# Altium PCB HIVE_BOARD.PcbDoc (part 5 of 9) (continued)
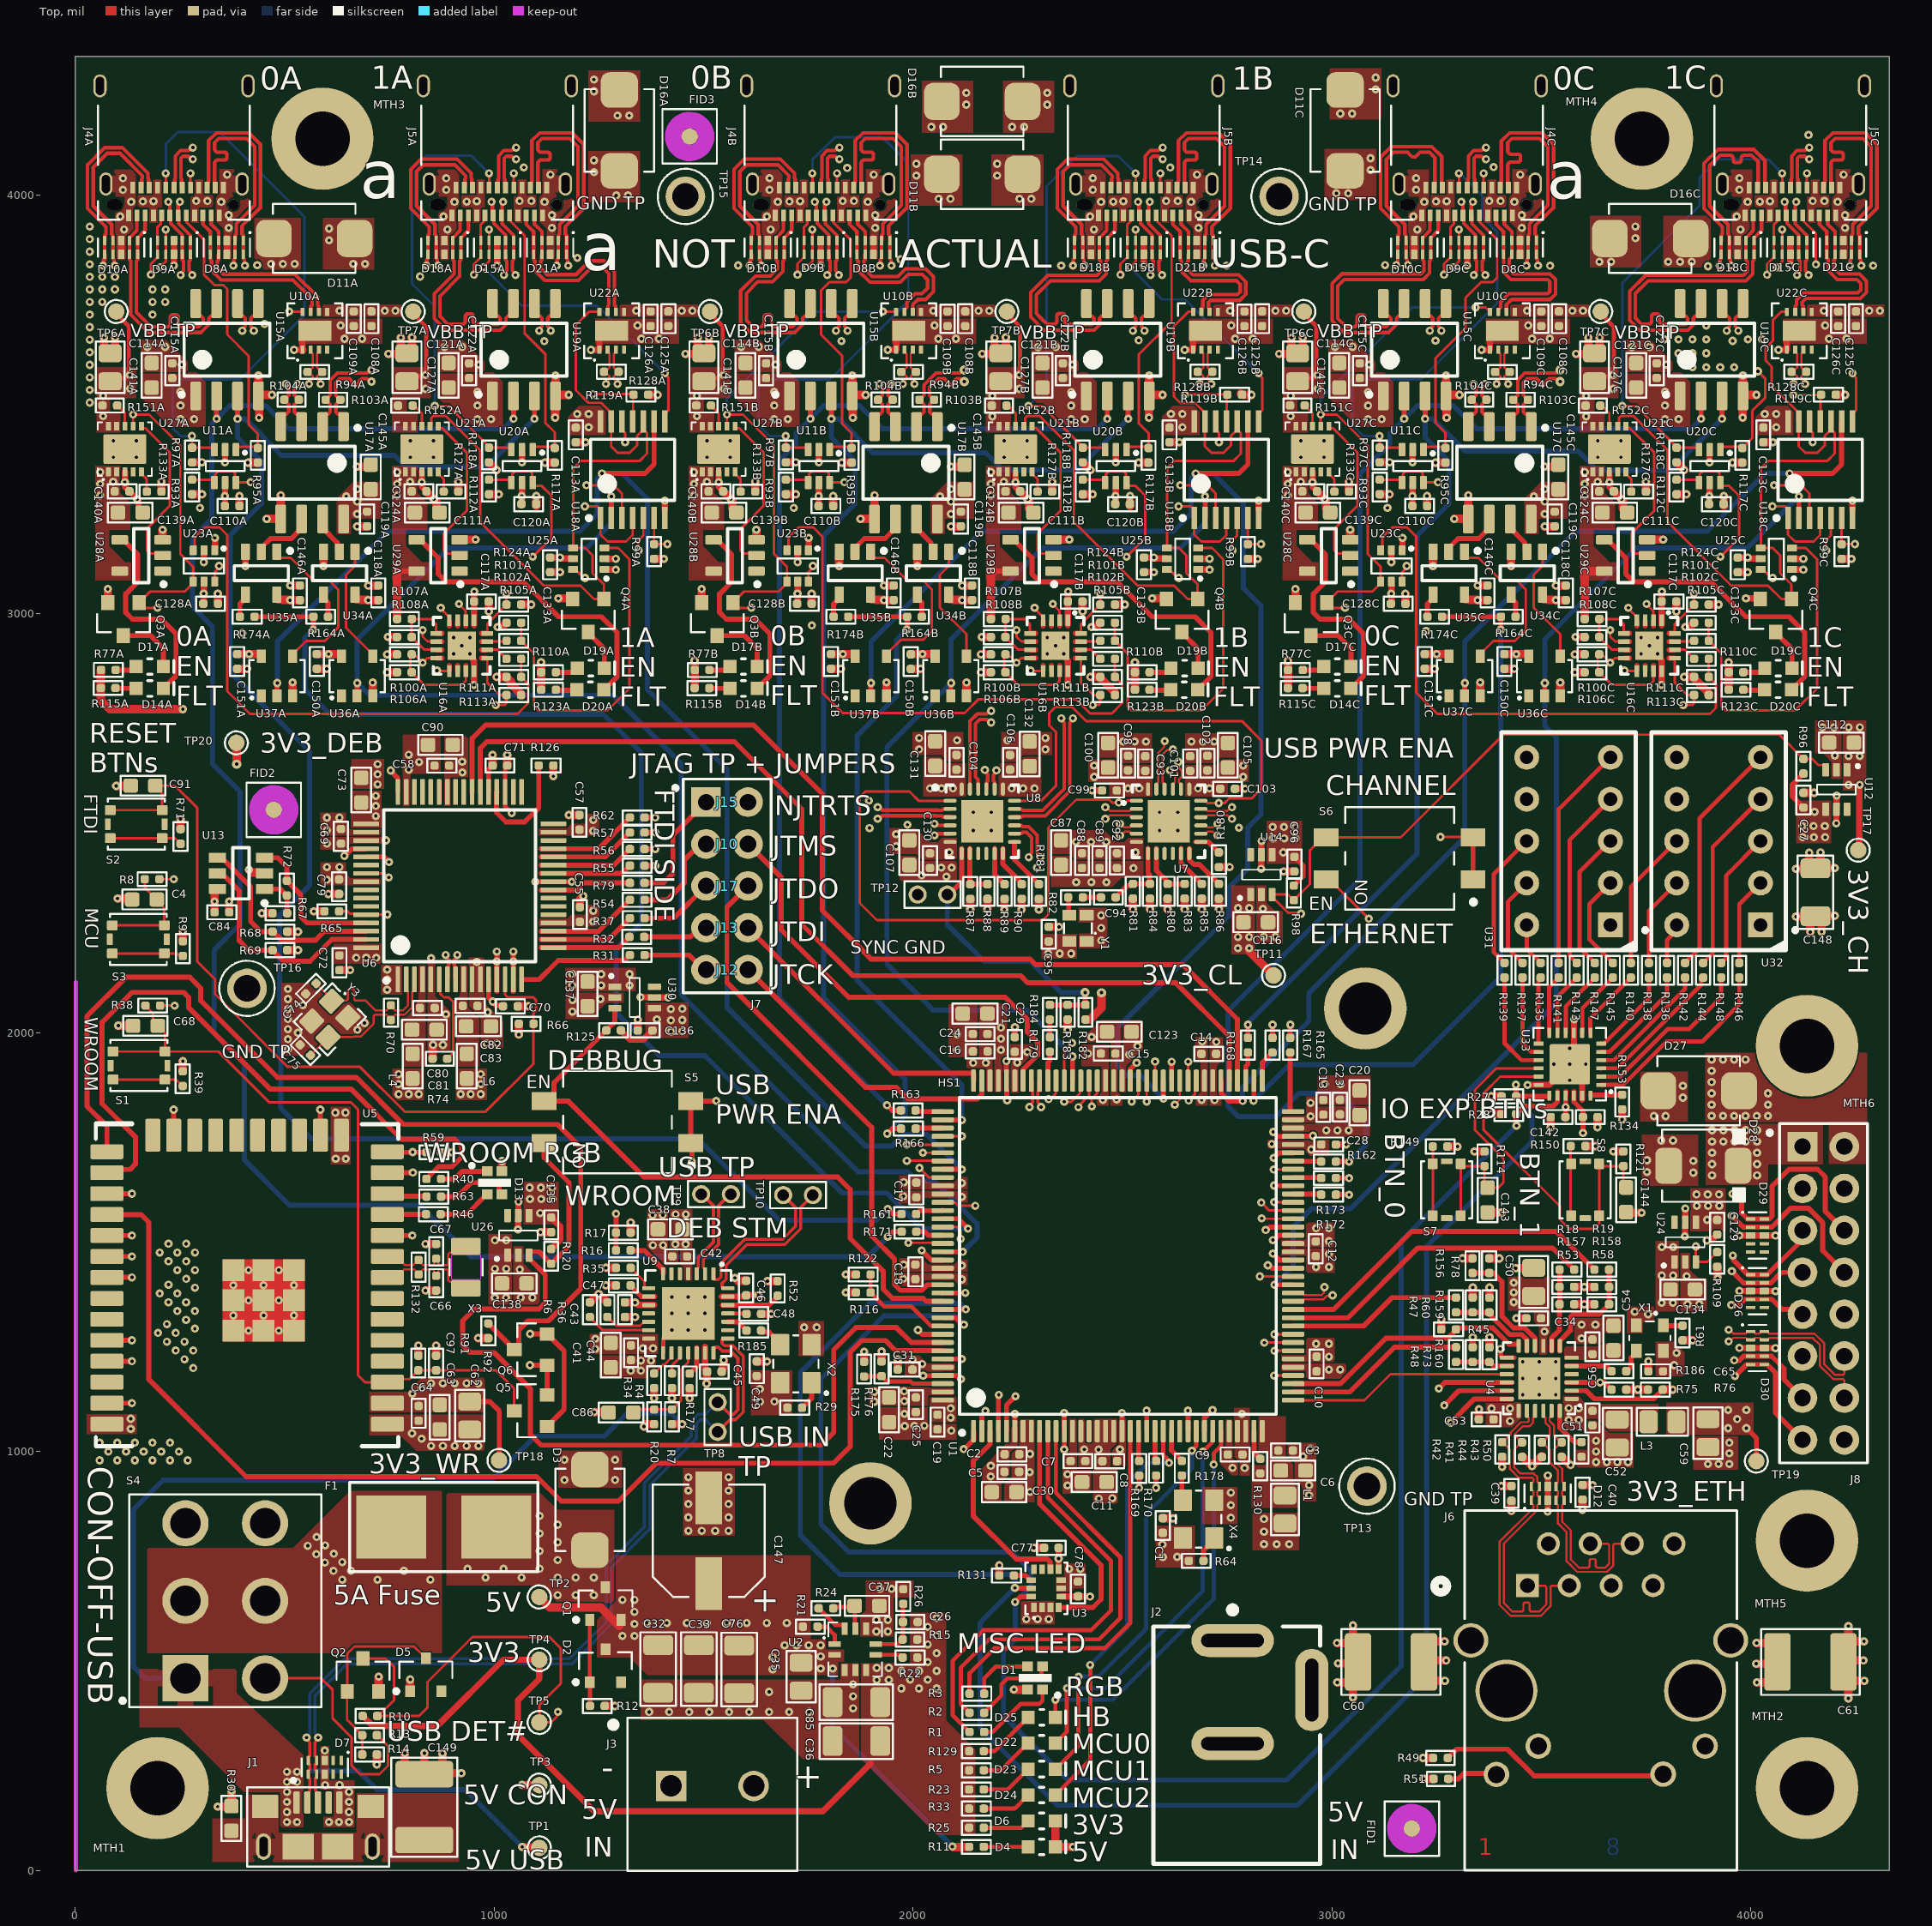
[diagram p0: Top view]
## Nets (pads, with @x,y where several pads share a name; then routed paths per layer and width w, separated by ;. In a path a pad name is that pad's centre, name@x,y a point inside that pad or via, vN(x,y) a via of type N, cw(c..) or ccw(c..) an arc to the next point about the centre after c; other vN are vias at no path point) (continued)
CHAN_FLAG_0A: U27A.6 U28A.2 | length 395.8
  Top w6: U27A.6@158.37,3447.53 158.37,3442.99 158.46,3442.9 167.78,3442.9 226.3,3384.38 226.3,3257.5 171.34,3202.54 171.34,3150.85 178.37,3143.82 204.35,3143.82 U28A.2@209.18,3139
CHAN_FLAG_0B: U27B.6 U28B.2 | length 395.8
  Top w6: U27B.6@1575.69,3447.53 1575.69,3442.99 1575.79,3442.9 1585.11,3442.9 1643.62,3384.38 1643.62,3257.5 1588.66,3202.54 1588.66,3150.85 1595.69,3143.82 1621.68,3143.82 U28B.2@1626.5,3139
CHAN_FLAG_0C: U27C.6 U28C.2 | length 395.8
  Top w6: U27C.6@2993.02,3447.53 2993.02,3442.99 2993.11,3442.9 3002.43,3442.9 3060.94,3384.38 3060.94,3257.5 3005.98,3202.54 3005.98,3150.85 3013.01,3143.82 3039,3143.82 U28C.2@3043.83,3139
CHAN_FLAG_1A: U21A.6 U29A.2 | length 395.8
  Top w6: U21A.6@867.03,3447.53 867.03,3442.99 867.13,3442.9 876.44,3442.9 934.96,3384.38 934.96,3280.05 934.96,3246.03 880,3191.07 880,3150.85 887.03,3143.82 913.01,3143.82 U29A.2@917.84,3139
CHAN_FLAG_1B: U21B.6 U29B.2 | length 395.8
  Top w6: U21B.6@2284.35,3447.53 2284.35,3442.99 2284.45,3442.9 2293.77,3442.9 2352.28,3384.38 2352.28,3280.05 2352.28,3246.03 2297.32,3191.07 2297.32,3150.85 2304.35,3143.82 2330.34,3143.82 U29B.2@2335.16,3139
CHAN_FLAG_1C: U21C.6 U29C.2 | length 395.8
  Top w6: U21C.6@3701.68,3447.53 3701.68,3442.99 3701.77,3442.9 3711.09,3442.9 3769.6,3384.38 3769.6,3280.05 3769.6,3246.03 3714.65,3191.07 3714.65,3150.85 3721.68,3143.82 3747.66,3143.82 U29C.2@3752.49,3139
CHAN_FLT#_0A: D14A.K U28A.4 | length 492.8
  Top w12: U28A.4@106.82,3176.4 115.68,3176.4 121.5,3170.57 121.5,3170.01 150,3141.51 150,3076 121.06,3047.06 121.06,3002.94 137,2987 206.34,2987 241,2952.35 241,2851.66 D14A.K@210.83,2821.5
CHAN_FLT#_0B: D14B.K U28B.4 | length 492.8
  Top w12: U28B.4@1524.14,3176.4 1533,3176.4 1538.83,3170.57 1538.83,3170.01 1567.32,3141.51 1567.32,3076 1538.38,3047.06 1538.38,3002.94 1554.32,2987 1623.67,2987 1658.32,2952.35 1658.32,2851.66 D14B.K@1628.16,2821.5
CHAN_FLT#_0C: D14C.K U28C.4 | length 492.8
  Top w12: U28C.4@2941.46,3176.4 2950.32,3176.4 2956.15,3170.57 2956.15,3170.01 2984.65,3141.51 2984.65,3076 2955.7,3047.06 2955.7,3002.94 2971.64,2987 3040.99,2987 3075.65,2952.35 3075.65,2851.66 D14C.K@3045.48,2821.5
CHAN_FLT#_1A: D20A.K U29A.4 | length 742.5
  Top w12: U29A.4@815.48,3176.4 824.34,3176.4 829.16,3171.57 829.16,3170.84 866.66,3133.34 866.66,3095.03 885.69,3076 1070.35,3076 1153.6,2992.75 1256.43,2992.75 1293.8,2955.39 1293.8,2849.55 D20A.K@1262.71,2818.46
CHAN_FLT#_1B: D20B.K U29B.4 | length 742.5
  Top w12: U29B.4@2232.8,3176.4 2241.66,3176.4 2246.49,3171.57 2246.49,3170.84 2283.98,3133.34 2283.98,3095.03 2303.01,3076 2487.68,3076 2570.92,2992.75 2673.75,2992.75 2711.12,2955.39 2711.12,2849.55 D20B.K@2680.03,2818.46
CHAN_FLT#_1C: D20C.K U29C.4 | length 742.5
  Top w12: U29C.4@3650.12,3176.4 3658.98,3176.4 3663.81,3171.57 3663.81,3170.84 3701.3,3133.34 3701.3,3095.03 3720.34,3076 3905,3076 3988.25,2992.75 4091.08,2992.75 4128.44,2955.39 4128.44,2849.55 D20C.K@4097.36,2818.46
CHAN_IRQ_0A: R93A.2 U1.123 U11A.4 U11A.6 | length 4041.4
  Top w6: R93A.2@279.32,3320.02 330.87,3320.02 332.74,3318.15 U11A.4@332.74,3312.82 334.62,3314.69 334.62,3332.79 342.21,3340.38 376.89,3340.38 382.05,3335.22 382.05,3314.69 U11A.6@383.92,3312.82 383.92,3313.65 v1(418.89,3313.65) ; U1.123@2070.91,1536 2071.21,1536.3 2105.6,1536.3 2114,1527.9 v1(2114,1508)
  Signal_2 w6: v1(418.89,3313.65) 418.89,3267.16 377.94,3226.22 270.33,3226.22 161.99,3117.88 161.99,1926.51 346.43,1742.07 1501.24,1742.07 1682.08,1561.24 1784.4,1561.24 1959.45,1386.19 1989.96,1386.19 2111.77,1508 v1(2114,1508)
CHAN_IRQ_0B: R93B.2 U1.95 U11B.4 U11B.6 | length 2316.8
  Top w6: R93B.2@1696.65,3320.02 1748.19,3320.02 1750.07,3318.15 U11B.4@1750.07,3312.82 1751.94,3314.69 1751.94,3332.79 1759.53,3340.38 1794.22,3340.38 1799.37,3335.22 1799.37,3314.69 U11B.6@1801.25,3312.82 1801.25,3313.65 v1(1836.21,3313.65) ; v1(2361,1835) 2378,1835 2398.78,1855.78 2398.78,1883.55 U1.95@2400.64,1885.4
  Signal_2 w6: v1(1836.21,3313.65) 1836.21,3267.16 1795.27,3226.22 1686.77,3226.22 1556.9,3096.34 1556.9,2963.68 1941.36,2579.22 1941.36,2254.62 2152.24,2043.73 2249.67,2043.73 2361,1932.4 v1(2361,1835)
CHAN_IRQ_0C: R93C.2 U1.65 U11C.4 U11C.6 | length 2560.5
  Top w6: v1(2861.39,1673.21) 2861.68,1673.5 2907.23,1673.5 U1.65@2907.53,1673.79 ; R93C.2@3113.97,3320.02 3165.51,3320.02 3167.39,3318.15 U11C.4@3167.39,3312.82 3169.26,3314.69 3169.26,3332.79 3176.85,3340.38 3211.54,3340.38 3216.7,3335.22 3216.7,3314.69 U11C.6@3218.57,3312.82 3218.57,3313.65 v1(3253.53,3313.65)
  Signal_2 w6: v1(2861.39,1673.21) 2902.32,1632.27 3125.81,1632.27 3203.44,1709.9 3203.44,1958.44 3306.02,2061.02 3306.02,2647.43 2998.48,2954.98 2998.48,3100.38 3124.31,3226.22 3212.59,3226.22 3253.53,3267.16 v1(3253.53,3313.65)
CHAN_IRQ_1A: R112A.2 U1.115 U20A.4 U20A.6 | length 2316.9
  Top w6: R112A.2@987.99,3320.02 1039.53,3320.02 U20A.4@1041.4,3318.15 ; U20A.4@1041.4,3312.82 1043.28,3314.69 U20A.4@1043.28,3318.15 ; U20A.4@1043.28,3320.02 1043.28,3332.79 1050.87,3340.38 1085.56,3340.38 1090.71,3335.22 1090.71,3314.69 U20A.6@1092.58,3312.82 1092.58,3309.79 1097.46,3304.91 1113.92,3304.91 1137.32,3281.52 1137.32,3180.61 v1(1092.58,3135.88) ; v1(1985.31,1694.13) 1985.93,1694.75 2069.63,1694.75 U1.115@2070.91,1693.48
  Signal_2 w6: v1(1092.58,3135.88) 1125.98,3102.49 1253.13,2975.33 1253.65,2975.33 1674.93,2554.06 1674.93,1925.82 1906.61,1694.13 v1(1985.31,1694.13)
CHAN_IRQ_1B: R112B.2 U1.82 U20B.4 U20B.6 | length 1969.4
  Top w6: R112B.2@2405.31,3320.02 2456.85,3320.02 U20B.4@2458.73,3318.15 ; U20B.4@2458.73,3312.82 2460.6,3314.69 U20B.4@2460.6,3318.15 ; U20B.4@2460.6,3320.02 2460.6,3332.79 2468.19,3340.38 2502.88,3340.38 2508.03,3335.22 2508.03,3314.69 U20B.6@2509.91,3312.82 2509.91,3309.79 2514.78,3304.91 2531.24,3304.91 2554.64,3281.52 2554.64,3180.61 v1(2509.91,3135.88) ; U1.82@2656.76,1885.62 v1@2656.76,1930.45
  Signal_2 w6: v1(2509.91,3135.88) 2543.3,3102.49 2543.3,3005.36 2946.4,2602.26 2946.4,2219.18 2766.44,2039.21 2687.71,2039.21 2656.98,2008.49 v1(2656.98,1930.67)
CHAN_IRQ_1C: R112C.2 U1.45 U20C.4 U20C.6 | length 3171.8
  Top w6: v1@2862.71,1280.09 U1.45@2907.53,1280.09 ; R112C.2@3822.63,3320.02 3874.18,3320.02 U20C.4@3876.05,3318.15 ; U20C.4@3876.05,3312.82 3877.92,3314.69 U20C.4@3877.92,3318.15 ; U20C.4@3877.92,3320.02 3877.92,3332.79 3885.51,3340.38 3920.2,3340.38 3925.36,3335.22 3925.36,3314.69 U20C.6@3927.23,3312.82 3927.23,3309.79 3932.1,3304.91 3948.57,3304.91 3971.96,3281.52 3971.96,3180.61 v1(3927.23,3135.88)
  Signal_2 w6: v1(2862.59,1279.96) 3166.52,1279.96 3249.28,1362.72 3472.99,1586.44 3472.99,1697.01 3770,1994.02 3770,2666.09 3805.28,2701.37 3875.84,2701.37 4085.97,2911.5 4085.97,3122.54 4046.77,3161.75 3953.1,3161.75 v1(3927.23,3135.88)
CHAN_OV_0A: R105A.2 R111A.2 U23A.3 | length 1364.5
  Top w6: U23A.3@281.98,3151.23 285.43,3154.68 285.43,3181.74 309.75,3206.06 344.69,3206.06 363,3187.76 363,2815.12 417.37,2760.74 1055.94,2760.74 1081.84,2786.65 1081.84,2815.16 1081.73,2815.27 1081.73,2832.13 R111A.2@1064.85,2849 R105A.2@1064.85,2892.16
CHAN_OV_0B: R105B.2 R111B.2 U23B.3 | length 1390.4
  Top w6: U23B.3@1699.3,3151.23 1702.75,3154.68 1702.75,3181.74 1727.07,3206.06 1762.01,3206.06 1783.46,3184.62 1783.46,2811.98 1832.44,2763 2123.44,2763 2155.64,2795.2 2389.8,2795.2 2423,2762 2475.01,2762 2499.17,2786.16 2499.17,2815.16 2499.05,2815.27 2499.05,2832.13 R111B.2@2482.18,2849 R105B.2@2482.18,2892.16
CHAN_OV_0C: R105C.2 R111C.2 U23C.3 | length 1371.3
  Top w6: U23C.3@3116.62,3151.23 3120.07,3154.68 3120.07,3181.74 3144.39,3206.06 3179.34,3206.06 3200.78,3184.62 3200.78,2811.98 3252.02,2760.74 3902.21,2760.74 3916.49,2775.02 3916.49,2815.16 3916.37,2815.27 3916.37,2832.13 R111C.2@3899.5,2849 R105C.2@3899.5,2892.16
CHAN_OV_1A: R101A.2 R102A.2 U25A.3 | length 845.4
  Top w6: R101A.2@1064.85,2978.49 R102A.2@1064.85,2935.32 1094.8,2905.38 1094.8,2779.2 1105,2769 1270.94,2769 1323.37,2821.43 1323.37,3129.9 1296.56,3156.71 U25A.3@1263.79,3156.71
CHAN_OV_1B: R101B.2 R102B.2 U25B.3 | length 845.4
  Top w6: R101B.2@2482.18,2978.49 R102B.2@2482.18,2935.32 2512.12,2905.38 2512.12,2779.2 2522.32,2769 2688.26,2769 2740.7,2821.43 2740.7,3129.9 2713.88,3156.71 U25B.3@2681.12,3156.71
CHAN_OV_1C: R101C.2 R102C.2 U25C.3 | length 845.4
  Top w6: R101C.2@3899.5,2978.49 R102C.2@3899.5,2935.32 3929.45,2905.38 3929.45,2779.2 3939.65,2769 4105.59,2769 4158.02,2821.43 4158.02,3129.9 4131.2,3156.71 U25C.3@4098.44,3156.71
CHAN_RESET_0A: U1.113 U18A.5 | length 1879.8
  Top w6: v1(1345.03,3150.83) 1345.03,3174.94 1356.49,3186.39 U18A.5@1356.49,3228.34 ; v1(1985.31,1732.58) 1985.44,1732.71 2070.78,1732.71 U1.113@2070.91,1732.85
  Signal_2 w6: v1(1345.03,3150.83) 1345.03,3050.36 1776.24,2619.15 1776.24,1928.59 1903.19,1801.63 1951.65,1801.63 1985.16,1768.12 1985.16,1732.73 v1(1985.31,1732.58)
CHAN_RESET_0B: U1.83 U18B.5 | length 1807.9
  Top w5: v1(2625,1828) 2636.86,1839.86 U1.83@2636.86,1885.4
  Top w6: v1(2762.36,3150.83) 2762.36,3174.94 2773.81,3186.39 U18B.5@2773.81,3228.34
  Signal_2 w5: v1(2625,1828) 2625.73,1828.73 2625.73,1841.8 2686.34,1902.41 2814.28,1902.41 2879.36,1967.48
  Signal_2 w6: v1(2762.36,3150.83) 2762.36,2978.44 3014.26,2726.53 3014.26,2193.32 2879.36,2058.41 2879.36,1967.48
CHAN_RESET_0C: U1.44 U18C.5 | length 2986
  Top w6: v1@2838.87,1260.24 U1.44@2907.53,1260.24 ; v1(4179.68,3150.83) 4179.68,3174.94 4191.14,3186.39 U18C.5@4191.14,3228.34
  Signal_2 w6: v1(2838.74,1260.12) 2894.42,1260.12 2987.82,1166.72 3144.94,1166.72 3316.58,1338.36 3448.91,1338.36 3505.69,1395.14 3505.69,1696.69 3874.61,2065.61 3874.61,2642.64 4179.68,2947.72 v1(4179.68,3150.83)
CHAN_RESET_1A: U1.112 U18A.12 | length 2088.2
  Top w6: U18A.12@1305.31,3458.65 1305.31,3438.97 1309.2,3435.08 1309.49,3435.08 1313,3431.56 v1(1313,3409.22) ; U1.112@2070.91,1752.53 2071.01,1752.63 2116.74,1752.63 v1(2116.84,1752.73)
  Signal_2 w6: v1(1313,3409.22) 1436.1,3286.12 1436.1,3028.98 1825.52,2639.56 1825.52,2044.06 v1(2116.84,1752.73)
CHAN_RESET_1B: U1.81 U18B.12 | length 2062.3
  Top w6: v1(2658,1838) 2673.54,1853.54 2673.54,1882.72 U1.81@2676.45,1885.62 ; U18B.12@2722.63,3458.65 2722.63,3438.97 2726.52,3435.08 2726.81,3435.08 2730.32,3431.56 v1(2730.32,3409.22)
  Signal_2 w6: v1(2658,1838) 2683.12,1863.12 2831.1,1863.12 2949.6,1981.62 2949.6,2089.03 3051.83,2191.26 3051.83,2763.87 2853.42,2962.28 2853.42,3286.12 v1(2730.32,3409.22)
CHAN_RESET_1C: U1.43 U18C.12 | length 3324.9
  Top w6: v1@2862.71,1240.72 U1.43@2907.53,1240.72 ; U18C.12@4139.95,3458.65 4139.95,3438.97 4143.84,3435.08 4144.13,3435.08 4147.65,3431.56 v1(4147.65,3409.22)
  Signal_2 w6: v1(2862.59,1240.59) 2974.62,1128.56 3167.47,1128.56 3332.32,1293.41 3481.46,1293.41 3566.17,1378.12 3566.17,1556.91 3724.53,1715.28 3724.53,1801.75 3937.79,2015 3937.79,2631.6 4270.74,2964.56 4270.74,3286.12 v1(4147.65,3409.22)
CLK_0A_N: R94A.1 U7.4 U10A.2 | length 3459.6
  Top w5: R94A.1@554.84,3577 R94A.1@556.73,3577 ; v1(558.51,3548.24) 558.51,3550.67 567.34,3559.49 567.34,3566.57 564.41,3569.5 564.23,3569.5 R94A.1@556.73,3577 ; U10A.2@562.45,3629.95 562.45,3625.03 567.3,3620.19 567.3,3598.49 567.34,3598.46 567.34,3587.43 564.41,3584.5 564.23,3584.5 R94A.1@556.73,3577 ; v1(2494.01,2498.59) 2496.44,2498.59 2505.27,2489.76 2517.44,2489.76 2522.28,2494.61 U7.4@2533.62,2494.61
  Signal_1 w4: v1(558.51,3548.24) 558.51,3550.6 566.34,3558.42 566.34,3577.34 578.9,3589.91 603.67,3589.91 625.21,3568.37 625.21,3446.22 528.15,3349.16 528.15,3187.58 456.46,3115.89 456.46,2944.95 704.08,2697.34 1559.08,2697.34 1633.89,2622.52 1671.35,2585.06 1671.35,2411.86 1785.31,2297.9 2097.29,2297.9 2167.79,2368.39 2167.79,2414.91 2243.64,2490.76 2482.84,2490.76 2490.67,2498.59 v1(2494.01,2498.59)
CLK_0A_P: R94A.2 U7.5 U10A.3 | length 3459.6
  Top w5: U10A.3@582.14,3629.95 582.14,3625.03 577.3,3620.19 577.3,3602.64 577.34,3602.6 577.34,3587.43 580.26,3584.5 580.44,3584.5 R94A.2@587.94,3577 ; v1@586.16,3550.67 577.34,3559.49 577.34,3566.57 580.26,3569.5 580.44,3569.5 R94A.2@587.94,3577 ; R94A.2@589.84,3577 R94A.2@587.94,3577 ; v1(2494.01,2470.94) 2496.44,2470.94 2505.27,2479.76 2517.44,2479.76 2522.28,2474.92 U7.5@2533.62,2474.92
  Signal_1 w4: v1(586.16,3548.24) 586.16,3550.6 578.34,3558.42 578.34,3572.37 583.88,3577.91 598.7,3577.91 613.21,3563.4 613.21,3545.01 613.21,3532.91 cw(c609.01,3532.91) 609.01,3528.71 602.65,3528.71 ccw(c602.65,3524.51) 598.45,3524.51 598.45,3518.91 ccw(c602.65,3518.91) 602.65,3514.71 609.01,3514.71 cw(c609.01,3510.51) 613.21,3510.51 613.21,3508.51 613.21,3451.19 516.15,3354.13 516.15,3192.55 444.46,3120.86 444.46,2939.98 699.11,2685.34 1554.1,2685.34 1616.92,2622.52 1625.41,2614.04 1659.35,2580.09 1659.35,2406.89 1780.34,2285.9 2102.26,2285.9 2120.3,2303.94 2179.79,2363.42 2179.79,2409.94 2248.61,2478.76 2482.84,2478.76 2490.67,2470.94 v1(2494.01,2470.94)
CLK_0B_N: R94B.1 U7.2 U10B.2 | length 3459.6
  Top w5: R94B.1@1972.16,3577 R94B.1@1974.05,3577 ; v1(1975.83,3548.24) 1975.83,3550.67 1984.66,3559.49 1984.66,3566.57 1981.73,3569.5 1981.55,3569.5 R94B.1@1974.05,3577 ; U10B.2@1979.78,3629.95 1979.78,3625.03 1984.62,3620.19 1984.62,3598.49 1984.66,3598.46 1984.66,3587.43 1981.73,3584.5 1981.55,3584.5 R94B.1@1974.05,3577 ; v1(2459.31,2537.96) 2461.74,2537.96 2470.57,2529.13 2517.44,2529.13 2522.28,2533.98 U7.2@2533.62,2533.98
  Signal_1 w4: 1866.83,3429.99 1858.97,3422.13 ccw(c1864.88,3416.16) 1858.92,3410.24 1921.74,3347.42 ; 1866.85,3430.01 cw(c1872.8,3424.08) 1878.77,3430 1943.61,3365.15 ccw(c1958.08,3379.54) 1972.52,3365.13 1980.41,3373.02 ccw(c1966,3387.46) 1982.18,3399.88 1982.18,3400.12 1917.09,3465.21 ; 1917.08,3465.22 cw(c1923.01,3471.17) 1917.08,3477.13 ; 1917.1,3477.14 1924.96,3485 ; 1921.74,3318.51 1916.12,3312.89 1901.73,3298.5 1871.5,3298.5 1856.93,3283.93 1856.93,3268.98 1864.64,3261.27 1965.69,3261.27 1994.72,3232.25 1994.72,3152.68 1962.04,3120 1919.2,3120 1853.2,3186 1820.97,3186 1796.01,3161.04 1796.01,3098.39 1796.01,3090.39 ccw(c1804.41,3090.39) 1804.41,3081.99 1886.78,3081.99 cw(c1886.78,3061.59) 1907.18,3061.59 1907.18,3050.39 cw(c1886.78,3050.39) 1886.78,3029.99 1804.41,3029.99 ccw(c1804.41,3021.59) 1796.01,3021.59 1796.01,2992.38 1796.01,2985.17 1874.85,2906.33 1874.85,2598.89 1885.51,2588.23 1890.39,2588.23 1898.39,2588.23 ccw(c1898.39,2596.63) 1906.79,2596.63 1906.79,2789.14 cw(c1927.19,2789.14) 1927.19,2809.54 1938.39,2809.54 cw(c1938.39,2789.14) 1958.79,2789.14 1958.79,2596.63 ccw(c1967.19,2596.63) 1967.19,2588.23 1992.95,2588.23 2065.55,2660.83 2259.17,2660.83 2389.87,2530.13 2448.14,2530.13 2455.97,2537.96 v1(2459.31,2537.96) ; 1921.75,3318.52 ccw(c1907.35,3332.97) 1921.75,3347.42 ; 1924.98,3485.02 cw(c1930.93,3479.09) 1936.87,3485.03 1998.14,3423.76 ccw(c2012.57,3438.19) 2027.02,3423.79 2039.32,3436.1 ccw(c2035.1,3440.36) 2039.36,3436.13 2041.83,3438.6 2041.83,3444.94 2041.83,3571.28 2032.72,3580.39 2029.21,3583.91 1999.78,3583.91 1983.66,3567.79 1983.66,3558.42 1975.83,3550.6 v1(1975.83,3548.24)
CLK_0B_P: R94B.2 U7.3 U10B.3 | length 3459.5
  Top w5: U10B.3@1999.46,3629.95 1999.46,3625.03 1994.62,3620.19 1994.62,3602.64 1994.66,3602.6 1994.66,3587.43 1997.59,3584.5 1997.76,3584.5 R94B.2@2005.26,3577 ; v1@2003.49,3550.67 1994.66,3559.49 1994.66,3566.57 1997.59,3569.5 1997.76,3569.5 R94B.2@2005.26,3577 ; R94B.2@2007.16,3577 R94B.2@2005.26,3577 ; v1(2459.31,2510.31) 2461.74,2510.31 2470.57,2519.13 2517.44,2519.13 2522.28,2514.29 U7.3@2533.62,2514.29
  Signal_1 w4: 1850.49,3401.7 cw(c1864.88,3416.16) 1850.47,3430.6 1858.36,3438.49 cw(c1872.8,3424.08) 1885.22,3440.27 1885.47,3440.27 1887.21,3438.52 ; 1850.5,3401.7 1913.26,3338.94 cw(c1907.35,3332.97) 1913.3,3327.04 ; 1887.24,3438.5 1952.16,3373.58 ccw(c1958.08,3379.54) 1964.03,3373.61 ; 1913.26,3327 1907.63,3321.37 1896.76,3310.5 1866.53,3310.5 1844.93,3288.9 1844.93,3264.01 1859.67,3249.27 1960.72,3249.27 1982.72,3227.28 1982.72,3157.65 1957.07,3132 1924.17,3132 1858.17,3198 1816,3198 1784.01,3166.01 1784.01,3098.39 1784.01,3090.39 ccw(c1804.41,3090.39) 1804.41,3069.99 1886.78,3069.99 cw(c1886.78,3061.59) 1895.18,3061.59 1895.18,3050.39 cw(c1886.78,3050.39) 1886.78,3041.99 1804.41,3041.99 ccw(c1804.41,3021.59) 1784.01,3021.59 1784.01,2992.38 1784.01,2980.2 1862.85,2901.36 1862.85,2593.92 1880.54,2576.23 1890.39,2576.23 1898.39,2576.23 ccw(c1898.39,2596.63) 1918.79,2596.63 1918.79,2789.14 cw(c1927.19,2789.14) 1927.19,2797.54 1938.39,2797.54 cw(c1938.39,2789.14) 1946.79,2789.14 1946.79,2596.63 ccw(c1967.19,2596.63) 1967.19,2576.23 1992.95,2576.23 1997.92,2576.23 2070.52,2648.83 2254.2,2648.83 2384.9,2518.13 2448.14,2518.13 2455.97,2510.31 v1(2459.31,2510.31) ; 1964.05,3373.63 1971.91,3381.48 ccw(c1966,3387.46) 1971.91,3393.42 1908.58,3456.75 cw(c1923.01,3471.17) 1908.6,3485.61 1916.49,3493.5 cw(c1930.93,3479.09) 1945.36,3493.51 2006.6,3432.27 ; v1(2003.49,3548.24) 2003.49,3550.6 1995.66,3558.42 1995.66,3562.82 2004.75,3571.91 2024.24,3571.91 2029.83,3566.31 2029.83,3537.88 2029.83,3521.88 cw(c2025.63,3521.88) 2025.63,3517.68 2019.3,3517.68 ccw(c2019.3,3513.48) 2015.1,3513.48 2015.1,3507.88 ccw(c2019.3,3507.88) 2019.3,3503.68 2025.63,3503.68 cw(c2025.63,3499.48) 2029.83,3499.48 2029.83,3489.13 2029.83,3456.94 2029.83,3443.57 2018.54,3432.28 cw(c2012.57,3438.19) 2006.61,3432.26
CLK_0C_N: R94C.1 U7.22 U10C.2 | length 3460.1
  Top w5: U7.22@2600.55,2581.22 2600.55,2592.55 2595.7,2597.4 2595.7,2663.91 2606.31,2674.52 2618.79,2674.52 v1(2620.51,2676.24) ; R94C.1@3389.48,3577 R94C.1@3391.38,3577 ; v1(3393.15,3548.24) 3393.15,3550.67 3401.98,3559.49 3401.98,3566.57 3399.05,3569.5 3398.88,3569.5 R94C.1@3391.38,3577 ; U10C.2@3397.1,3629.95 3397.1,3625.03 3401.94,3620.19 3401.94,3598.49 3401.98,3598.46 3401.98,3587.43 3399.05,3584.5 3398.88,3584.5 R94C.1@3391.38,3577
  Signal_1 w4: v1(2620.51,2676.24) 2622.88,2678.6 2622.88,2689.67 2673.07,2739.86 2816.62,2739.86 2824.62,2739.86 ccw(c2824.62,2760.26) 2845.02,2760.26 2845.02,2812.03 cw(c2853.42,2812.03) 2853.42,2820.43 2864.62,2820.43 cw(c2864.62,2812.03) 2873.02,2812.03 2873.02,2679.62 ccw(c2893.42,2679.62) 2893.42,2659.22 2904.62,2659.22 ccw(c2904.62,2679.62) 2925.02,2679.62 2925.02,2812.03 cw(c2933.42,2812.03) 2933.42,2820.43 2944.62,2820.43 cw(c2944.62,2812.03) 2953.02,2812.03 2953.02,2679.62 ccw(c2973.42,2679.62) 2973.42,2659.22 2984.62,2659.22 ccw(c2984.62,2679.62) 3005.02,2679.62 3005.02,2812.03 cw(c3013.42,2812.03) 3013.42,2820.43 3024.62,2820.43 cw(c3024.62,2812.03) 3033.02,2812.03 3033.02,2679.62 ccw(c3053.42,2679.62) 3053.42,2659.22 3064.62,2659.22 ccw(c3064.62,2679.62) 3085.02,2679.62 3085.02,2806.45 cw(c3093.42,2806.45) 3093.42,2814.85 3104.62,2814.85 cw(c3104.62,2806.45) 3113.02,2806.45 3113.02,2760.26 ccw(c3133.42,2760.26) 3133.42,2739.86 3164.81,2739.86 3176.5,2739.86 3293.91,2857.27 3293.91,3069.93 3459.15,3235.17 3459.15,3298.61 3459.15,3306.61 ccw(c3438.75,3306.61) 3438.75,3327.01 3314.49,3327.01 cw(c3314.49,3335.41) 3306.09,3335.41 3306.09,3346.61 cw(c3314.49,3346.61) 3314.49,3355.01 3442.63,3355.01 ccw(c3442.63,3375.41) 3463.03,3375.41 3463.03,3386.61 ccw(c3442.63,3386.61) 3442.63,3407.01 3314.49,3407.01 cw(c3314.49,3415.41) 3306.09,3415.41 3306.09,3426.61 cw(c3314.49,3426.61) 3314.49,3435.01 3438.75,3435.01 ccw(c3438.75,3455.41) 3459.15,3455.41 3459.15,3483.83 3459.15,3579.82 3439.97,3599 3414.03,3599 3400.98,3585.95 3400.98,3558.42 3393.15,3550.6 v1(3393.15,3548.24)
CLK_0C_P: R94C.2 U7.23 U10C.3 | length 3460.1
  Top w5: U7.23@2580.86,2581.22 2580.86,2592.55 2585.7,2597.4 2585.7,2668.06 2599.24,2681.59 2599.24,2694.07 v1(2600.96,2695.79) ; U10C.3@3416.79,3629.95 3416.79,3625.03 3411.94,3620.19 3411.94,3602.64 3411.98,3602.6 3411.98,3587.43 3414.91,3584.5 3415.09,3584.5 R94C.2@3422.59,3577 ; v1@3420.81,3550.67 3411.98,3559.49 3411.98,3566.57 3414.91,3569.5 3415.09,3569.5 R94C.2@3422.59,3577 ; R94C.2@3424.48,3577 R94C.2@3422.59,3577
  Signal_1 w4: v1(2600.96,2695.79) 2603.32,2698.16 2614.39,2698.16 2668.1,2751.86 2816.62,2751.86 2824.62,2751.86 ccw(c2824.62,2760.26) 2833.02,2760.26 2833.02,2812.03 cw(c2853.42,2812.03) 2853.42,2832.43 2864.62,2832.43 cw(c2864.62,2812.03) 2885.02,2812.03 2885.02,2679.62 ccw(c2893.42,2679.62) 2893.42,2671.22 2904.62,2671.22 ccw(c2904.62,2679.62) 2913.02,2679.62 2913.02,2812.03 cw(c2933.42,2812.03) 2933.42,2832.43 2944.62,2832.43 cw(c2944.62,2812.03) 2965.02,2812.03 2965.02,2679.62 ccw(c2973.42,2679.62) 2973.42,2671.22 2984.62,2671.22 ccw(c2984.62,2679.62) 2993.02,2679.62 2993.02,2812.03 cw(c3013.42,2812.03) 3013.42,2832.43 3024.62,2832.43 cw(c3024.62,2812.03) 3045.02,2812.03 3045.02,2679.62 ccw(c3053.42,2679.62) 3053.42,2671.22 3064.62,2671.22 ccw(c3064.62,2679.62) 3073.02,2679.62 3073.02,2806.45 cw(c3093.42,2806.45) 3093.42,2826.85 3104.62,2826.85 cw(c3104.62,2806.45) 3125.02,2806.45 3125.02,2760.26 ccw(c3133.42,2760.26) 3133.42,2751.86 3164.81,2751.86 3171.53,2751.86 3245.61,2825.94 3281.91,2862.24 3281.91,3074.9 3447.15,3240.14 3447.15,3298.61 3447.15,3306.61 ccw(c3438.75,3306.61) 3438.75,3315.01 3314.49,3315.01 cw(c3314.49,3335.41) 3294.09,3335.41 3294.09,3346.61 cw(c3314.49,3346.61) 3314.49,3367.01 3442.63,3367.01 ccw(c3442.63,3375.41) 3451.03,3375.41 3451.03,3386.61 ccw(c3442.63,3386.61) 3442.63,3395.01 3314.49,3395.01 cw(c3314.49,3415.41) 3294.09,3415.41 3294.09,3426.61 cw(c3314.49,3426.61) 3314.49,3447.01 3438.75,3447.01 ccw(c3438.75,3455.41) 3447.15,3455.41 3447.15,3483.83 3447.15,3505.46 3447.15,3507.46 ccw(c3442.95,3507.46) 3442.95,3511.66 3425.82,3511.66 cw(c3425.82,3515.86) 3421.62,3515.86 3421.62,3521.46 cw(c3425.82,3521.46) 3425.82,3525.66 3442.95,3525.66 ccw(c3442.95,3529.86) 3447.15,3529.86 3447.15,3540.91 3447.15,3574.85 3435,3587 3419,3587 3412.98,3580.98 3412.98,3558.42 3420.81,3550.6 v1(3420.81,3548.24)
CLK_1A_N: R128A.1 U7.20 U22A.2 | length 3459.9
  Top w5: R128A.1@1263.5,3577 R128A.1@1265.39,3577 ; v1(1267.17,3548.24) 1267.17,3550.67 1276,3559.49 1276,3566.57 1273.07,3569.5 1272.89,3569.5 R128A.1@1265.39,3577 ; U22A.2@1271.12,3629.95 1271.12,3625.03 1275.96,3620.19 1275.96,3598.49 1276,3598.46 1276,3587.43 1273.07,3584.5 1272.89,3584.5 R128A.1@1265.39,3577 ; v1(2633.18,2646.17) 2634.9,2644.45 2634.9,2631.97 2641.96,2624.91 2641.96,2611.35 2635.07,2604.47 2635.07,2597.4 2639.92,2592.55 U7.20@2639.92,2581.22
  Signal_1 w4: 1266.09,3884.56 1264.35,3886.3 1264.1,3886.3 ccw(c1251.68,3870.12) 1237.24,3884.53 1229.35,3876.64 ccw(c1243.76,3862.2) 1229.37,3847.74 1308.05,3769.06 cw(c1302.14,3763.09) 1308.09,3757.16 1302.42,3751.49 1274,3723.07 1274,3558.42 1267.17,3551.59 v1(1267.17,3548.24) ; 1266.12,3884.53 1345.42,3805.23 ccw(c1351.34,3811.19) 1357.29,3805.26 ; 1285.94,3904.31 cw(c1300.33,3918.77) 1285.92,3933.21 1293.81,3941.1 cw(c1308.25,3926.69) 1320.67,3942.87 1320.92,3942.87 1322.66,3941.12 ; 1285.95,3904.3 1365.15,3825.09 cw(c1359.26,3819.11) 1365.18,3813.16 1357.31,3805.28 ; 1322.69,3941.1 1401.39,3862.4 ; 1401.4,3862.39 ccw(c1407.36,3868.31) 1413.32,3862.39 1448.34,3897.41 cw(c1452.6,3893.19) 1448.38,3897.45 1450.32,3899.39 1457.71,3899.39 1788.3,3899.39 1810.12,3877.57 1985.92,3877.57 2006.54,3856.95 2006.54,3685.28 2098.82,3593 2098.82,3422.41 2044.91,3368.5 2044.91,3142.99 2072.1,3115.81 2072.1,2798.58 2159.15,2711.53 2198.2,2711.53 2213.38,2726.72 2239.75,2726.72 2264.93,2701.54 2281.62,2684.85 2307.16,2659.31 2325.2,2659.31 2334.25,2668.37 2599.91,2668.37 2619.75,2648.53 2630.82,2648.53 v1(2633.18,2646.17)
CLK_1A_P: R128A.2 U7.21 U22A.3 | length 3459.3
  Top w5: U22A.3@1290.8,3629.95 1290.8,3625.03 1285.96,3620.19 1285.96,3602.64 1286,3602.6 1286,3587.43 1288.93,3584.5 1289.1,3584.5 R128A.2@1296.6,3577 ; v1@1294.82,3550.67 1286,3559.49 1286,3566.57 1288.93,3569.5 1289.1,3569.5 R128A.2@1296.6,3577 ; R128A.2@1298.5,3577 R128A.2@1296.6,3577 ; v1(2613.63,2626.61) 2615.35,2624.89 2627.83,2624.89 2631.96,2620.77 2631.96,2615.49 2625.07,2608.61 2625.07,2597.4 2620.23,2592.55 U7.21@2620.23,2581.22
  Signal_1 w4: 1237.84,3868.15 ccw(c1243.76,3862.2) 1237.81,3856.28 1316.53,3777.55 cw(c1302.14,3763.09) 1316.54,3748.64 1310.91,3743.01 1286,3718.1 1286,3627.01 1286,3611.99 ccw(c1290.2,3611.99) 1290.2,3607.79 1305.26,3607.79 cw(c1305.26,3603.59) 1309.46,3603.59 1309.46,3597.99 cw(c1305.26,3597.99) 1305.26,3593.79 1290.2,3593.79 ccw(c1290.2,3589.59) 1286,3589.59 1286,3573.59 1286,3559.42 1294.82,3550.6 v1(1294.82,3548.24) ; 1237.85,3868.17 1245.71,3876.03 cw(c1251.68,3870.12) 1257.65,3876.03 1336.87,3796.81 ccw(c1351.34,3811.19) 1365.78,3796.78 1373.67,3804.67 ccw(c1359.26,3819.11) 1375.44,3831.53 1375.44,3831.78 1373.7,3833.52 ; 1302.28,3932.59 1294.42,3924.74 ccw(c1300.33,3918.77) 1294.37,3912.84 1373.67,3833.55 ; 1302.3,3932.61 cw(c1308.25,3926.69) 1314.22,3932.6 1392.89,3853.92 ccw(c1407.36,3868.31) 1421.81,3853.91 ; 1421.81,3853.91 1455.29,3887.39 1459.22,3887.39 1783.33,3887.39 1805.15,3865.57 1980.13,3865.57 1994.54,3851.16 1994.54,3680.31 2086.82,3588.03 2086.82,3427.38 2032.91,3373.47 2032.91,3138.02 2060.1,3110.84 2060.1,2793.61 2154.18,2699.53 2203.17,2699.53 2218.36,2714.72 2234.78,2714.72 2252.93,2696.57 2268.89,2680.61 2302.19,2647.31 2330.17,2647.31 2339.23,2656.37 2594.94,2656.37 2611.26,2640.04 2611.26,2628.98 v1(2613.63,2626.61)
CLK_1B_N: R128B.1 U7.16 U22B.2 | length 3460.1
  Top w5: R128B.1@2680.82,3577 R128B.1@2682.71,3577 ; v1(2684.49,3548.24) 2684.49,3550.67 2693.32,3559.49 2693.32,3566.57 2690.39,3569.5 2690.21,3569.5 R128B.1@2682.71,3577 ; U7.16@2687.16,2514.29 2698.5,2514.29 2703.34,2519.13 2750.21,2519.13 2759.04,2510.31 v1(2761.47,2510.31) ; U22B.2@2688.44,3629.95 2688.44,3625.03 2693.28,3620.19 2693.28,3598.49 2693.32,3598.46 2693.32,3587.43 2690.39,3584.5 2690.21,3584.5 R128B.1@2682.71,3577
  Signal_1 w4: v1(2684.49,3548.24) 2684.49,3550.92 2692.32,3558.74 2692.32,3744.72 2821.33,3873.73 3037.85,3873.73 3064.95,3900.82 3326.79,3900.82 3340.41,3887.19 3531.85,3887.19 3550.28,3868.76 3550.28,3639.8 3529.76,3619.28 3505.55,3619.28 3490.49,3604.22 3490.49,3547.38 3532.97,3504.89 3537.22,3500.65 3547.41,3490.45 3547.41,3242.34 3547.41,3234.34 ccw(c3555.81,3234.34) 3555.81,3225.94 3631.22,3225.94 cw(c3631.22,3205.54) 3651.62,3205.54 3651.61,3194.34 cw(c3631.22,3194.34) 3631.22,3173.94 3555.81,3173.94 ccw(c3555.81,3165.54) 3547.41,3165.54 3547.41,3132.84 3547.41,3105.86 3476.43,3034.88 3476.43,2856.56 3405.81,2785.94 3312.06,2785.94 3044.25,2518.13 2772.64,2518.13 2764.81,2510.31 v1(2761.47,2510.31)
CLK_1B_P: R128B.2 U7.17 U22B.3 | length 3460.1
  Top w5: U7.17@2687.16,2533.98 2698.5,2533.98 2703.34,2529.13 2750.21,2529.13 2759.04,2537.96 v1(2761.47,2537.96) ; U22B.3@2708.12,3629.95 2708.12,3625.03 2703.28,3620.19 2703.28,3602.64 2703.32,3602.6 2703.32,3587.43 2706.25,3584.5 2706.43,3584.5 R128B.2@2713.93,3577 ; v1@2712.15,3550.67 2703.32,3559.49 2703.32,3566.57 2706.25,3569.5 2706.43,3569.5 R128B.2@2713.93,3577 ; R128B.2@2715.82,3577 R128B.2@2713.93,3577
  Signal_1 w4: v1(2712.15,3548.24) 2712.15,3550.6 2704.32,3558.42 2704.32,3566.98 2704.32,3582.98 cw(c2708.52,3582.98) 2708.52,3587.18 2734.76,3587.18 ccw(c2734.76,3591.38) 2738.96,3591.38 2738.96,3596.98 ccw(c2734.76,3596.98) 2734.76,3601.18 2708.52,3601.18 cw(c2708.52,3605.38) 2704.32,3605.38 2704.32,3616.01 2704.32,3739.75 2826.3,3861.73 3044.76,3861.73 3071.85,3888.82 3321.82,3888.82 3335.44,3875.19 3526.88,3875.19 3538.28,3863.79 3538.28,3644.78 3524.79,3631.28 3500.58,3631.28 3478.49,3609.19 3478.49,3542.41 3535.41,3485.48 3535.41,3242.34 3535.41,3234.34 ccw(c3555.81,3234.34) 3555.81,3213.94 3631.22,3213.94 cw(c3631.22,3205.54) 3639.62,3205.54 3639.61,3194.34 cw(c3631.22,3194.34) 3631.22,3185.94 3555.81,3185.94 ccw(c3555.81,3165.54) 3535.41,3165.54 3535.41,3132.84 3535.41,3110.84 3464.43,3039.85 3464.43,2861.53 3400.84,2797.94 3307.09,2797.94 3039.28,2530.13 2772.64,2530.13 2764.81,2537.96 v1(2761.47,2537.96)